# KiCad board RP2350_60QFN_minimal.kicad_pcb (continued)
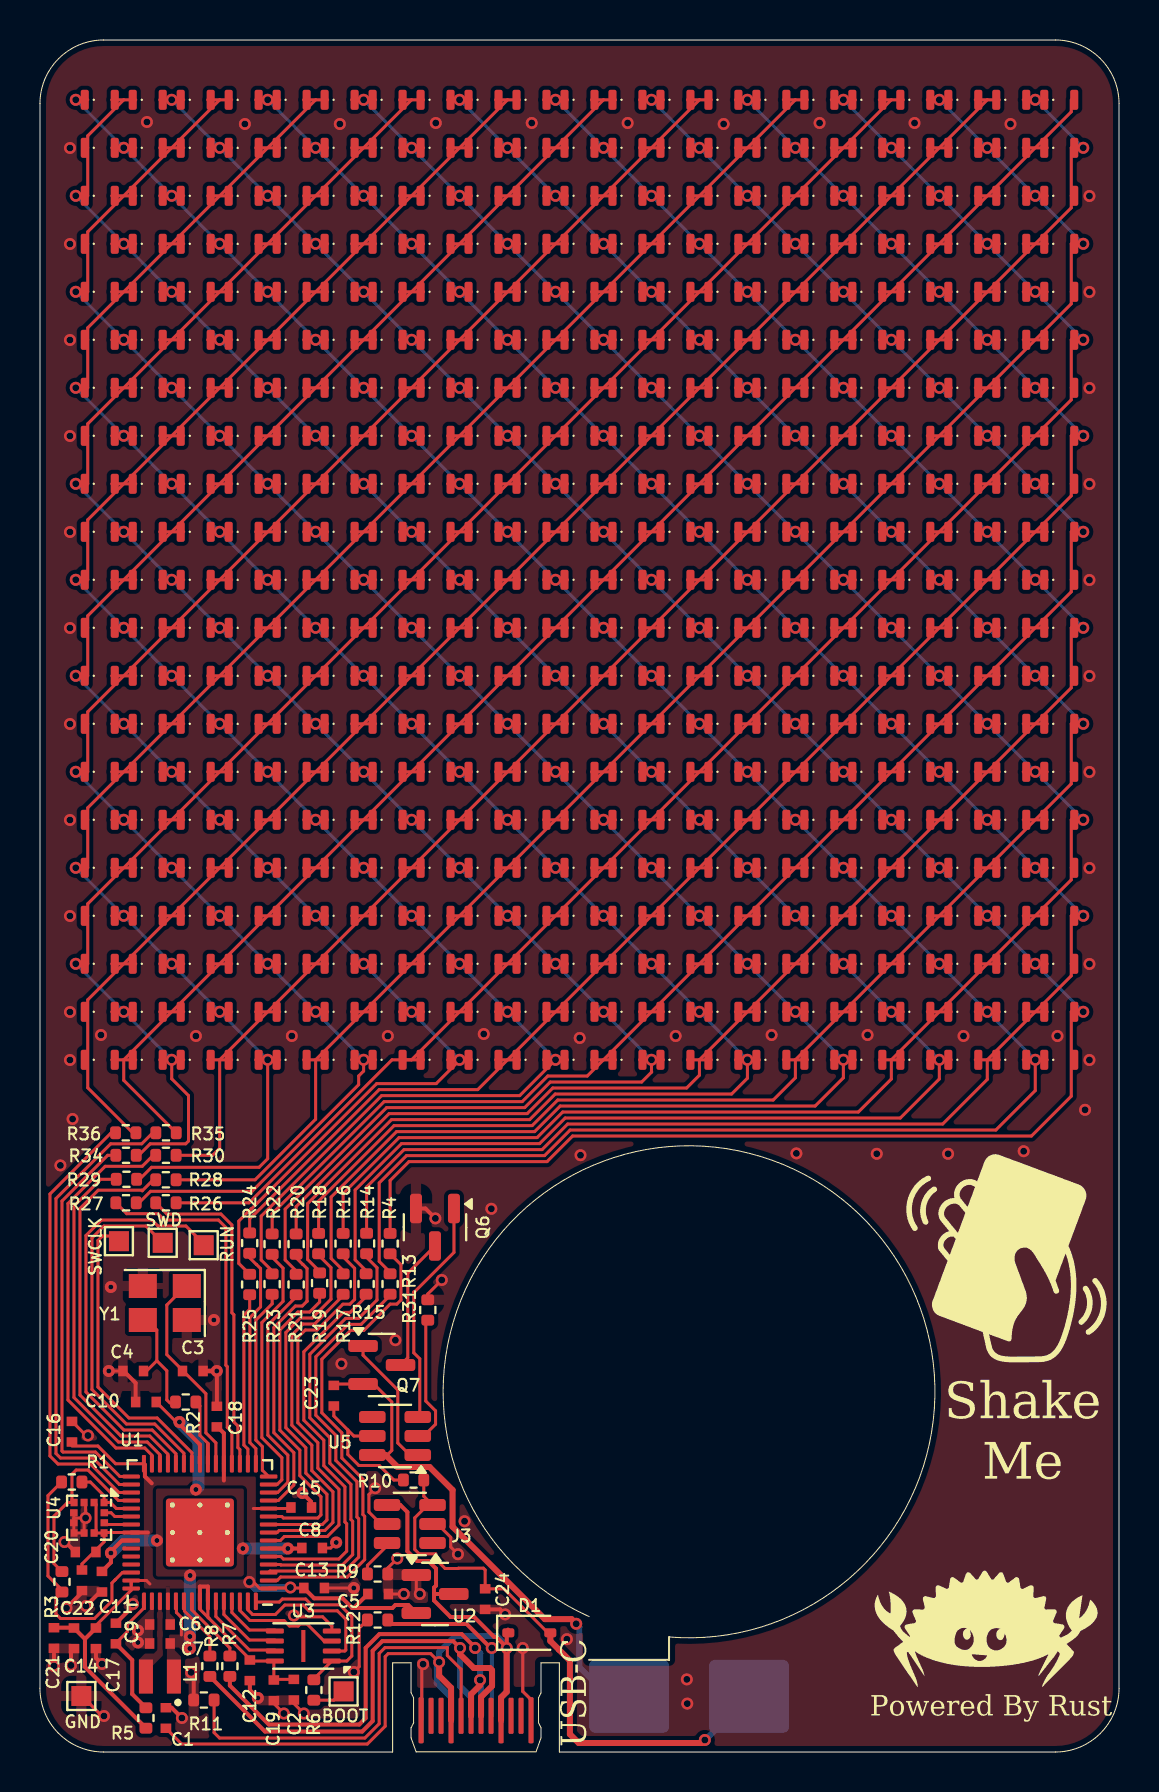
[diagram p0: board, top side]
## Placement (name value [footprint] x y rotation side) (continued)
D467  LED  [LED_0603_1608Metric]  43.79 56.21 0 top
D468  LED  [LED_0603_1608Metric]  43.79 58.61 0 top
D469  LED  [LED_0603_1608Metric]  43.79 61.01 0 top
D470  LED  [LED_0603_1608Metric]  43.79 63.41 0 top
D471  LED  [LED_0603_1608Metric]  43.79 65.81 0 top
D472  LED  [LED_0603_1608Metric]  43.79 68.21 0 top
D473  LED  [LED_0603_1608Metric]  43.79 70.61 0 top
D474  LED  [LED_0603_1608Metric]  43.79 73.01 0 top
D475  LED  [LED_0603_1608Metric]  43.79 75.41 0 top
D476  LED  [LED_0603_1608Metric]  43.79 77.81 0 top
D477  LED  [LED_0603_1608Metric]  43.79 80.21 0 top
D478  LED  [LED_0603_1608Metric]  43.79 82.61 0 top
D479  LED  [LED_0603_1608Metric]  46.19 34.61 0 top
D480  LED  [LED_0603_1608Metric]  46.19 37.01 0 top
D481  LED  [LED_0603_1608Metric]  46.19 39.41 0 top
D482  LED  [LED_0603_1608Metric]  46.19 41.81 0 top
D483  LED  [LED_0603_1608Metric]  46.19 44.21 0 top
D484  LED  [LED_0603_1608Metric]  46.19 46.61 0 top
D485  LED  [LED_0603_1608Metric]  46.19 49.01 0 top
D486  LED  [LED_0603_1608Metric]  46.19 51.41 0 top
D487  LED  [LED_0603_1608Metric]  46.19 53.81 0 top
D488  LED  [LED_0603_1608Metric]  46.19 56.21 0 top
D489  LED  [LED_0603_1608Metric]  46.19 58.61 0 top
D490  LED  [LED_0603_1608Metric]  46.19 61.01 0 top
D491  LED  [LED_0603_1608Metric]  46.19 63.41 0 top
D492  LED  [LED_0603_1608Metric]  46.19 65.81 0 top
D493  LED  [LED_0603_1608Metric]  46.19 68.21 0 top
D494  LED  [LED_0603_1608Metric]  46.19 70.61 0 top
D495  LED  [LED_0603_1608Metric]  46.19 73.01 0 top
D496  LED  [LED_0603_1608Metric]  46.19 75.41 0 top
D497  LED  [LED_0603_1608Metric]  46.19 77.81 0 top
D498  LED  [LED_0603_1608Metric]  46.19 80.21 0 top
D499  LED  [LED_0603_1608Metric]  46.19 82.61 0 top
D500  LED  [LED_0603_1608Metric]  48.59 34.61 0 top
D501  LED  [LED_0603_1608Metric]  48.59 37.01 0 top
D502  LED  [LED_0603_1608Metric]  48.59 39.41 0 top
D503  LED  [LED_0603_1608Metric]  48.59 41.81 0 top
D504  LED  [LED_0603_1608Metric]  48.59 44.21 0 top
D505  LED  [LED_0603_1608Metric]  48.59 46.61 0 top
D506  LED  [LED_0603_1608Metric]  48.59 49.01 0 top
D507  LED  [LED_0603_1608Metric]  48.59 51.41 0 top
D508  LED  [LED_0603_1608Metric]  48.59 53.81 0 top
D509  LED  [LED_0603_1608Metric]  48.59 56.21 0 top
D510  LED  [LED_0603_1608Metric]  48.59 58.61 0 top
D511  LED  [LED_0603_1608Metric]  48.59 61.01 0 top
D512  LED  [LED_0603_1608Metric]  48.59 63.41 0 top
D513  LED  [LED_0603_1608Metric]  48.59 65.81 0 top
D514  LED  [LED_0603_1608Metric]  48.59 68.21 0 top
D515  LED  [LED_0603_1608Metric]  48.59 70.61 0 top
D516  LED  [LED_0603_1608Metric]  48.59 73.01 0 top
D517  LED  [LED_0603_1608Metric]  48.59 75.41 0 top
D518  LED  [LED_0603_1608Metric]  48.59 77.81 0 top
D519  LED  [LED_0603_1608Metric]  48.59 80.21 0 top
D520  LED  [LED_0603_1608Metric]  48.59 82.61 0 top
D521  LED  [LED_0603_1608Metric]  50.99 34.61 0 top
D522  LED  [LED_0603_1608Metric]  50.99 37.01 0 top
D523  LED  [LED_0603_1608Metric]  50.99 39.41 0 top
D524  LED  [LED_0603_1608Metric]  50.99 41.81 0 top
D525  LED  [LED_0603_1608Metric]  50.99 44.21 0 top
D526  LED  [LED_0603_1608Metric]  50.99 46.61 0 top
D527  LED  [LED_0603_1608Metric]  50.99 49.01 0 top
D528  LED  [LED_0603_1608Metric]  50.99 51.41 0 top
D529  LED  [LED_0603_1608Metric]  50.99 53.81 0 top
D530  LED  [LED_0603_1608Metric]  50.99 56.21 0 top
D531  LED  [LED_0603_1608Metric]  50.99 58.61 0 top
D532  LED  [LED_0603_1608Metric]  50.99 61.01 0 top
D533  LED  [LED_0603_1608Metric]  50.99 63.41 0 top
D534  LED  [LED_0603_1608Metric]  50.99 65.81 0 top
D535  LED  [LED_0603_1608Metric]  50.99 68.21 0 top
D536  LED  [LED_0603_1608Metric]  50.99 70.61 0 top
D537  LED  [LED_0603_1608Metric]  50.99 73.01 0 top
D538  LED  [LED_0603_1608Metric]  50.99 75.41 0 top
D539  LED  [LED_0603_1608Metric]  50.99 77.81 0 top
D540  LED  [LED_0603_1608Metric]  50.99 80.21 0 top
D541  LED  [LED_0603_1608Metric]  50.99 82.61 0 top
GND  TestPoint  [TestPoint_Pad_1.0x1.0mm]  2.07 2.8 0 top
J1  USB_C_Receptacle_USB2.0_14P  [USB_C_PADDLE]  21.82 2.46 180 top
J3  TP4057  [SOT-23-6]  18.5 11.4 180 top
L1  3.3u  [L_pol_2016]  6 3.77 180 top
Q6  HL-2302V  [SOT-23]  19.76 26.24 270 top
Q7  HL-2302V  [SOT-23]  17.1 19.35 0 top
R1  5K1  [R_0402_1005Metric]  1.59 13.5 180 top
R2  1K  [R_0402_1005Metric]  7.29 17.5 180 top
R3  5K1  [R_0402_1005Metric]  1.1 8.51 270 top
R4  22  [R_0402_1005Metric]  17.52 25.42 270 top
R5  33  [R_0402_1005Metric]  5.3 1.7 90 top
R6  1K  [R_0402_1005Metric]  13.7 3.1 270 top
R7  27  [R_0402_1005Metric]  9.5 4.29 90 top
R8  27  [R_0402_1005Metric]  8.5 4.29 90 top
R9  20K  [R_0402_1005Metric]  16.89 8.9 0 top
R10  100  [R_0402_1005Metric]  18.69 13.6 180 top
R11  5K1  [R_0402_1005Metric]  8.2 2.6 180 top
R12  5K1  [R_0402_1005Metric]  16.89 6.6 180 top
R13  22  [R_0402_1005Metric]  17.52 23.4 270 top
R14  22  [R_0402_1005Metric]  16.34 25.42 270 top
R15  22  [R_0402_1005Metric]  16.32 23.4 270 top
R16  22  [R_0402_1005Metric]  15.16 25.42 270 top
R17  22  [R_0402_1005Metric]  15.16 23.39 270 top
R18  22  [R_0402_1005Metric]  13.94 25.42 270 top
R19  22  [R_0402_1005Metric]  13.99 23.44 270 top
R20  22  [R_0402_1005Metric]  12.81 25.39 270 top
R21  22  [R_0402_1005Metric]  12.81 23.37 270 top
R22  22  [R_0402_1005Metric]  11.62 25.39 270 top
R23  22  [R_0402_1005Metric]  11.62 23.39 270 top
R24  22  [R_0402_1005Metric]  10.49 25.44 270 top
R25  22  [R_0402_1005Metric]  10.49 23.37 270 top
R26  22  [R_0402_1005Metric]  6.3 27.46 180 top
R27  22  [R_0402_1005Metric]  4.3 27.46 180 top
R28  22  [R_0402_1005Metric]  6.3 28.61 180 top
R29  22  [R_0402_1005Metric]  4.33 28.63 180 top
R30  22  [R_0402_1005Metric]  6.3 29.83 180 top
R31  1K  [R_0402_1005Metric]  19.4 22.1 270 top
R34  22  [R_0402_1005Metric]  4.3 29.83 180 top
R35  22  [R_0402_1005Metric]  6.3 30.96 180 top
R36  22  [R_0402_1005Metric]  4.29 30.96 180 top
RUN  TestPoint  [TestPoint_Pad_1.0x1.0mm]  8.19 25.34 0 top
SWCLK  TestPoint  [TestPoint_Pad_1.0x1.0mm]  3.95 25.54 0 top
SWD  TestPoint  [TestPoint_Pad_1.0x1.0mm]  6.14 25.46 0 top
U1  RP2350A  [RP2350-QFN-60-1EP_7x7_P0.4mm_EP3.4x3.4mm_ThermalVias]  8 10.97 180 top
U2  REG_3.3V  [SOT-23]  19.76 7.9 0 top
U3  ZD25WQ32CEIGR  [Winbond_USON-8-1EP_3x2mm_P0.5mm_EP0.2x1.6mm]  13.18 5.3 180 top
U4  LIS2DH12TR  [LGA-12_2x2mm_P0.5mm]  2.46 11.71 270 top
U5  DW01A  [SOT-23-6]  17.76 15.8 180 top
Y1  ABM8-272-T3  [Crystal_SMD_3225-4Pin_3.2x2.5mm]  6.25 22.45 180 top

## Library data of the parts
BOOT GND RUN SWCLK SWD = -: Description: test point; ki_fp_filters: Pin* Test*
BT1 = -: Datasheet: https://www.cde.com/resources/catalogs/RJD.pdf; Description: Single-cell battery; Vendor: DigiKey; Price: 11.20; 1000 Price: 8.85; Manufacturer: Cornell Dubilier Knowles; Notes: 110 MAH; Part Number: RJD2430C1ST1; Website: https://www.digikey.com/short/mdb30bvm; Vendor PN: 1572-1630-ND
C1 C5 C24 = -: Datasheet: https://jlcpcb.com/api/file/downloadByFileSystemAccessId/8590204865961369600; 1000 Price: .0010; Manufacturer: CCTC; Notes: 6.3V 20%; Package: 0402; Part Number: TCC0402X5R105M6R3AT; Price: .0014; Vendor: JLCPCB; Website: https://jlcpcb.com/partdetail/Cctc-TCC0402X5R105M6R3AT/C2887021; Vendor PN: C2887021; ki_fp_filters: C_*
C2 C8 C11-C18 C20 C21 C23 = -: Datasheet: https://jlcpcb.com/api/file/downloadByFileSystemAccessId/8590272703061401600; Package: 0402; 1000 Price: .004; Manufacturer: FOJAN; Notes: 16V 10%; Part Number: FCC0402B104K160AT; Price: .0008; Vendor: JLCPCB; Website: https://jlcpcb.com/partdetail/Fojan-FCC0402B104K160AT/C5137468; Vendor PN: C5137468; ki_fp_filters: C_*
C3 C4 = -: Datasheet: https://jlcpcb.com/api/file/downloadByFileSystemAccessId/8588947741178777600; Package: 0402; 1000 Price: .0023; Manufacturer: YAGEO; Notes: 50V 1%; Part Number: CC0402FRNPO9BN150; Price: .0030; Vendor: JLCPCB; Website: https://jlcpcb.com/partdetail/Yageo-CC0402FRNPO9BN150/C326803; Vendor PN: C326803; ki_fp_filters: C_*
C6 C7 C9 C10 = -: Datasheet: https://jlcpcb.com/api/file/downloadByFileSystemAccessId/8588934242764541952; Package: 0402; 1000 Price: .0024; Manufacturer: CCTC; Notes: 6.3V 20%; Part Number: TCC0402X5R475M6R3AT; Price: .0031; Vendor: JLCPCB; Website: https://jlcpcb.com/partdetail/Cctc-TCC0402X5R475M6R3AT/C380302; Vendor PN: C380302; ki_fp_filters: C_*
C19 C22 = -: Datasheet: https://jlcpcb.com/api/file/downloadByFileSystemAccessId/8588932963417395200; Notes: 6.3V 20%; Package: 0402; Part Number: GRM155R60J106ME44D; Price: .0060; Vendor: JLCPCB; Website: https://jlcpcb.com/partdetail/MurataElectronics-GRM155R60J106ME44D/C76991; 1000 Price: .0050; Vendor PN: C76991; ki_fp_filters: C_*
D1 = -: Datasheet: https://jlcpcb.com/api/file/downloadByFileSystemAccessId/8588880599926362112; Description: Diode; JLC Number: C146335; Part Number: CUS10S30,H3F; Vendor: JLCPCB; Website: https://jlcpcb.com/partdetail/TOSHIBA-CUS10S30H3F/C146335; Price: .06; Notes: 30V 1A, low Vf; Package: SOD-323; Vendor PN: C146335; ki_fp_filters: TO-???* *_Diode_* *SingleDiode* D_*
D101-D541 = -: Datasheet: https://jlcpcb.com/api/file/downloadByFileSystemAccessId/8588936943606370304; Description: Light emitting diode; Website: https://jlcpcb.com/partdetail/C497923; Vendor: JLCPCB; Price: .0134; Package: 0603; Part Number: F.0603.00139/P2-0603R1TS2-06T-002; 1000 Price: .0103; Vendor PN: C497923; ki_fp_filters: LED* LED_SMD:* LED_THT:*
J1 = -: Datasheet: https://www.usb.org/sites/default/files/documents/usb_type-c.zip; Description: USB 2.0-only 14P Type-C Receptacle connector; Price: 0; ki_fp_filters: USB*C*Receptacle*
J3 = -: Datasheet: https://jlcpcb.com/api/file/downloadByFileSystemAccessId/8588886868624879616; MANUFACTURER: Tag-Connect; Website: https://jlcpcb.com/partdetail/772194-TP4057/C725791; Price: .044; Vendor: JLCPCB; Manufacturer: UMW; Notes: 0.3V-6.5V 600mA; Package: SOT-23-6L; LCSC Part Number: C497923; 1000 Price: .029; Vendor PN: C725791
L1 = -: Datasheet: https://jlcpcb.com/api/file/downloadByFileSystemAccessId/8567843503118221312; Manufacturer: Abracon LLC; Notes: Polarized; Package: 0806; Part Number: AOTA-B201610S3R3-101-T; Price: .2889; Vendor: JLCPCB; Website: https://jlcpcb.com/partdetail/AbraconLlc-AOTA_B201610S3R3_101T/C42411119; 1000 Price: .1776; Vendor PN: C42411119; ki_fp_filters: Choke_* *Coil* Inductor_* L_*
Q6 Q7 = -: Datasheet: https://jlcpcb.com/api/file/downloadByFileSystemAccessId/8590907421391077376; Description: 0.2A Id, 200V Vds, N-Channel MOSFET, 2.6V Logic Level, TO-92; Website: https://jlcpcb.com/partdetail/Hl-2302V/C7431443; Price: .0091; Vendor: JLCPCB; Notes: N-Channel 3A Mosfet; Part Number: 2302V; Manufacturer: HL; Package: SOT-23; LCSC Part Number: C7431443; 1000 Price: .0072; Vendor PN: C7431443; ki_fp_filters: TO?92*
R1 R3 R11 R12 = -: Datasheet: https://jlcpcb.com/api/file/downloadByFileSystemAccessId/8590201146070495232; Manufacturer: UNI-ROYAL; Notes: 62.5mW 50V 1%; Package: 0402; Part Number: 0402WGF510KTCE; Price: .0004; Vendor: JLCPCB; Website: https://jlcpcb.com/partdetail/FOJAN-FRC0402J512TS/C2906948; 1000 Price: .0003; Vendor PN: C2906948; ki_fp_filters: R_*
R2 R6 = -: Datasheet: https://jlcpcb.com/api/file/downloadByFileSystemAccessId/8589041795842125824; Manufacturer: FOJAN; Notes: 62.5mW 50V 1%; Package: 0402; Part Number: FRC0402F1001TS; Price: .0005; Vendor: JLCPCB; Website: https://jlcpcb.com/partdetail/Fojan-FRC0402F1001TS/C2906864; 1000 Price: .0003; Vendor PN: C2906864; ki_fp_filters: R_*
R4 R13-R30 R34-R36 = -: Datasheet: https://jlcpcb.com/api/file/downloadByFileSystemAccessId/8579705910383595520; Description: 50 Ohm Resistor; Website: https://jlcpcb.com/partdetail/25835-0402WGF220JTCE/C25092; Vendor: JLCPCB; Price: .0005; Package: 0402; Notes: 62.5mW 50V 1%; Part Number: 0402WGF220JTCE; Manufacturer: UNI-ROYAL; 1000 Price: .0004; Vendor PN: C25092; ki_fp_filters: R_*
R5 = -: Datasheet: https://jlcpcb.com/api/file/downloadByFileSystemAccessId/8588899754156048385; Alternate 1: RTT0233R0FTH; Manufacturer: YAGEO; Notes: 62.5mW 50V 1%; Package: 0402; Part Number: RC0402FR-0733RL; Price: .0006; Vendor: JLCPCB; Website: https://jlcpcb.com/partdetail/Yageo-RC0402FR0733RL/C138002; 1000 Price: .0005; Vendor PN: C138002; ki_fp_filters: R_*
R7 R8 = -: Datasheet: https://jlcpcb.com/api/file/downloadByFileSystemAccessId/8590208067418816512; Manufacturer: UNI-ROYAL; Notes: 62.5mW 50V 5%; Package: 0402; Part Number: 0402WGJ0100TCE; Price: .0005; Vendor: JLCPCB; Website: https://jlcpcb.com/partdetail/Fojan-FRC0402F27R0TS/C2909343; 1000 Price: .0003; Vendor PN: C2909343; ki_fp_filters: R_*
R9 = -: Datasheet: https://jlcpcb.com/api/file/downloadByFileSystemAccessId/8579705988980932608; Manufacturer: UNI-ROYAL; Notes: 62.5mW 50V 1%; Package: 0402; Part Number: 0402WGF2002TCE; Price: .0005; Vendor: JLCPCB; Website: https://jlcpcb.com/partdetail/26508-0402WGF2002TCE/C25765; 1000 Price: .0004; Vendor PN: C25765; ki_fp_filters: R_*
R10 = -: Datasheet: https://jlcpcb.com/api/file/downloadByFileSystemAccessId/8590201135915950080; Description: Resistor; Manufacturer: FOJAN; Notes: 100mW 5%; Part Number: FRC0402F1000TS; Price: .0005; Vendor: JLCPCB; Website: https://jlcpcb.com/partdetail/Fojan-FRC0402F1000TS/C2906860; 1000 Price: .0004; Vendor PN: C2906860; ki_fp_filters: R_*
R31 = -: Datasheet: https://jlcpcb.com/api/file/downloadByFileSystemAccessId/8589041795842125824; Part Number: FRC0402F1001TS; Website: https://jlcpcb.com/partdetail/Fojan-FRC0402F1001TS/C2906864; Vendor: JLCPCB; Price: .0005; Package: 0402; Notes: 62.5mW 50V 1%; Manufacturer: FOJAN; 1000 Price: .0003; Vendor PN: C2906864; ki_fp_filters: R_*
U1 = -: Datasheet: https://jlcpcb.com/api/file/downloadByFileSystemAccessId/8562345067823054848; Description: RP2350A Microcontroller; Website: https://jlcpcb.com/partdetail/RaspberryPi-RP2350A/C42411118; Vendor: JLCPCB; Price: 1.683; Notes: 1V8-3V3 150MHz; Package: QFN-60-EP(7x7); 1000 Price: .9915; Vendor PN: C42411118; Manufacturer: Raspberry Pi
U2 = -: Datasheet: https://jlcpcb.com/api/file/downloadByFileSystemAccessId/8590454499069222913; Description: 3V3 Linear Regulator; Website: https://jlcpcb.com/partdetail/Msksemi-XC6206P332MRMS/C5252899; Price: .0123; Vendor: JLCPCB; Part Number: XC6206P332MR-MS; Notes: 3.3V 250mA; Package: SOT-23; 1000 Price: .0092; Vendor PN: C5252899; Manufacturer: MSKSEMI; ki_fp_filters: SOT?223*TabPin2*
U3 = -: Datasheet: https://jlcpcb.com/api/file/downloadByFileSystemAccessId/8589838983019995136; Description: 4MB Flash; Vendor: JLCPCB; Price: .2621; Package: USON-8(2x3); Website: https://jlcpcb.com/partdetail/Zetta-ZD25WQ32CEIGR/C5258281; Notes: 1.65V-3.6V 104MHz; 1000 Price: .1466; Vendor PN: C5258281; Manufacturer: Zetta; ki_fp_filters: SOIC*5.23x5.23mm*P1.27mm*
U4 = -: Datasheet: https://jlcpcb.com/api/file/downloadByFileSystemAccessId/8588886762982944768; Description: Accelerometer; Manufacturer: STMicroelectronics; Package: LGA-12(2x); Price: .573; Vendor: JLCPCB; Website: https://jlcpcb.com/partdetail/Stmicroelectronics-LIS2DH12TR/C110926; 1000 Price: .3450; Vendor PN: C110926
U5 = -: Datasheet: https://jlcpcb.com/api/file/downloadByFileSystemAccessId/8604436371230633984; Description: Overcharge, overcurrent and overdischarge protection IC for single cell lithium-ion/polymer battery; Manufacturer: Slkor; Package: SOT-23-6; Price: .0158; Vendor: JLCPCB; Website: https://jlcpcb.com/partdetail/slkor_slkormicro_elec-DW01A/C42380662; Notes: SMD; LCSC Part Number: C42380662; 1000 Price: .0123; Vendor PN: C42380662; ki_fp_filters: SOT?23*
Y1 = -: Datasheet: https://jlcpcb.com/api/file/downloadByFileSystemAccessId/8559470777180311552; Description: 12MHz Crystal; Website: https://jlcpcb.com/partdetail/AbraconLlc-ABM8_272T3/C20625731; Vendor: JLCPCB; Notes: 50 OHM, 10pF, 30ppm; Package: 4-SMD (3.2x2.5); Price: .3705; Manufacturer: Abracon; 1000 Price: .186; Vendor PN: C20625731; ki_fp_filters: Crystal*

## Footprints (pads in the part's own frame, mm; a bottom-side part is the same pattern mirrored in y, then rotated)
BatteryHolder_Custom
  rrect 3.65x4 smd far side: 1(15.225,3) 2(15.225,-3)
C_0402_1005Metric_small_pads
  rect 0.47x0.53 smd: 1(-0.515,0) 2(0.515,0)
Crystal_SMD_3225-4Pin_3.2x2.5mm
  rect 1.4x1.2 smd: 1(-1.1,-0.85) 2(1.1,-0.85) 3(1.1,0.85) 4(-1.1,0.85)
D_SOD-323
  rrect 0.6x0.45 smd: 1(-1.05,0) 2(1.05,0)
L_pol_2016
  rect 0.7x1.7 smd: 1(-0.7,0) 2(0.7,0)
LED_0603_1608Metric
  rrect 0.4x1 smd: 1(-0.75,0) 2(0.75,0)
LGA-12_2x2mm_P0.5mm
  rect 0.375x0.35 smd: 1(-0.762,0.75) 2(-0.762,0.25) 3(-0.762,-0.25) 4(-0.762,-0.75) 7(0.762,-0.75) 8(0.762,-0.25) 9(0.762,0.25) 10(0.762,0.75)
  rect 0.35x0.375 smd: 5(-0.25,-0.762) 6(0.25,-0.762) 11(0.25,0.762) 12(-0.25,0.762)
R_0402_1005Metric
  rrect 0.54x0.64 smd: 1(-0.51,0) 2(0.51,0)
RP2350-QFN-60-1EP_7x7_P0.4mm_EP3.4x3.4mm_ThermalVias
  rrect 1.2x1.2 smd: (-0.7,0.7) (-0.7,-0.7) (0.7,0.7) (0.7,-0.7)
  rrect 0.875x0.2 smd: 1(-3.438,2.8) 2(-3.438,2.4) 3(-3.438,2) 4(-3.438,1.6) 5(-3.438,1.2) 6(-3.438,0.8) 7(-3.438,0.4) 8(-3.438,0) 9(-3.438,-0.4) 10(-3.438,-0.8) 11(-3.438,-1.2) 12(-3.438,-1.6) 13(-3.438,-2) 14(-3.438,-2.4) 15(-3.438,-2.8) 31(3.438,-2.8) 32(3.438,-2.4) 33(3.438,-2) 34(3.438,-1.6) 35(3.438,-1.2) 36(3.438,-0.8) 37(3.438,-0.4) 38(3.438,0) 39(3.438,0.4) 40(3.438,0.8) 41(3.438,1.2) 42(3.438,1.6) 43(3.438,2) 44(3.438,2.4) 45(3.438,2.8)
  rrect 0.2x0.875 smd: 16(-2.8,-3.438) 17(-2.4,-3.438) 18(-2,-3.438) 19(-1.6,-3.438) 20(-1.2,-3.438) 21(-0.8,-3.438) 22(-0.4,-3.438) 23(0,-3.438) 24(0.4,-3.438) 25(0.8,-3.438) 26(1.2,-3.438) 27(1.6,-3.438) 28(2,-3.438) 29(2.4,-3.438) 30(2.8,-3.438) 46(2.8,3.438) 47(2.4,3.438) 48(2,3.438) 49(1.6,3.438) 50(1.2,3.438) 51(0.8,3.438) 52(0.4,3.438) 53(0,3.438) 54(-0.4,3.438) 55(-0.8,3.438) 56(-1.2,3.438) 57(-1.6,3.438) 58(-2,3.438) 59(-2.4,3.438) 60(-2.8,3.438)
  round 0.6 hole 0.25: 61(-1.375,1.375) 61(-1.375,0) 61(-1.375,-1.375) 61(0,1.375) 61(0,0) 61(0,-1.375) 61(1.375,1.375) 61(1.375,0) 61(1.375,-1.375)
  rrect 3.4x3.4 smd: 61(0,0)
SOT-23
  rrect 1.475x0.6 smd: 1(-0.938,0.95) 2(-0.938,-0.95) 3(0.938,0)
SOT-23-6
  rrect 1.325x0.6 smd: 1(-1.137,0.95) 2(-1.137,0) 3(-1.137,-0.95) 4(1.137,-0.95) 5(1.137,0) 6(1.137,0.95)
TestPoint_Pad_1.0x1.0mm
  rect 1x1 smd: 1(0,0)
USB_C_PADDLE
  rrect 0.25x2.3 smd: A1(2.75,0.875) A4(1.25,0.875) A9(-1.25,0.875) A12(-2.75,0.875)
  rrect 0.25x1.8 smd: A2(2.25,0.65) A3(1.75,0.65) A5(0.75,0.65) A6(0.25,0.65) A7(-0.25,0.65) A8(-0.75,0.65) A10(-1.75,0.65) A11(-2.25,0.65)
  rrect 0.25x2.3 smd far side: B1(-2.75,0.87) B4(-1.25,0.87) B9(1.25,0.87) B12(2.75,0.87)
  rrect 0.25x1.8 smd far side: B2(-2.25,0.645) B3(-1.75,0.645) B5(-0.75,0.645) B6(-0.25,0.645) B7(0.25,0.645) B8(0.75,0.645) B10(1.75,0.645) B11(2.25,0.645)
Winbond_USON-8-1EP_3x2mm_P0.5mm_EP0.2x1.6mm
  rrect 0.16x1.29 smd: (0,0)
  rrect 0.9x0.25 smd: 1(-1.425,0.75) 2(-1.425,0.25) 3(-1.425,-0.25) 4(-1.425,-0.75) 5(1.425,-0.75) 6(1.425,-0.25) 7(1.425,0.25) 8(1.425,0.75)
  rect 0.2x1.6 smd: 9(0,0)

## Nets
+1V1: C7.1 C8.1 C10.1 C11.1 L1.1 U1.6 U1.23 U1.39 U1.50
+3V3: C2.1 C5.1 C6.1 C12.1 C13.1 C14.1 C15.1 C16.1 C17.1 C18.1 C19.1 C20.2 C21.2 C22.1 R5.1 U1.1 U1.11 U1.20 U1.30 U1.38 U1.44 U1.45 U1.49 U1.53 U1.54 U2.2 U3.8 U4.2 U4.9 U4.10
GND: C1.2 C2.2 C3.2 C4.2 C5.2 C6.2 C7.2 C8.2 C9.2 C10.2 C11.2 C12.2 C13.2 C14.2 C15.2 C16.2 C17.2 C18.2 C19.2 C20.1 C21.1 C22.2 C24.2 GND.1 J1.A1 J1.A12 J1.B1 J1.B12 J3.2 J3.5 Q6.2 R9.2 R11.2 R12.2 R31.1 U1.47 U1.61 U2.1 U3.4 U4.3 U4.5 U4.6 U4.7 U4.8 Y1.2 Y1.4
VBUS: C1.1 D1.1 J1.A4 J1.A9 J1.B4 J1.B9 J3.4 U2.3
/FLASH_SS: R6.1 U1.60 U3.1
/LED_ARRAY/D1: D101.1 D102.1 D103.2 D124.1 D125.2 D146.1 D147.2 D168.1 D169.2 D190.1 D191.2 D212.1 D213.2 D234.1 D235.2 D256.1 D257.2 D278.1 D279.2 D300.1 D301.2 D322.1 D323.2 D344.1 D345.2 D366.1 D367.2 D388.1 D389.2 D410.1 D411.2 D432.1 D433.2 D454.1 D455.2 D476.1 D477.2 D498.1 D499.2 D520.1 R36.1
/LED_ARRAY/D2: D101.2 D122.1 D123.2 D144.1 D145.2 D166.1 D167.2 D188.1 D189.2 D210.1 D211.2 D232.1 D233.2 D254.1 D255.2 D276.1 D277.2 D298.1 D299.2 D320.1 D321.2 D342.1 D343.2 D364.1 D365.2 D386.1 D387.2 D408.1 D409.2 D430.1 D431.2 D452.1 D453.2 D474.1 D475.2 D496.1 D497.2 D518.1 D519.2 D540.1 D541.2 R35.1
/LED_ARRAY/D3: D102.2 D103.1 D104.1 D105.2 D122.2 D123.1 D126.1 D127.2 D143.1 D148.1 D149.2 D170.1 D171.2 D192.1 D193.2 D214.1 D215.2 D236.1 D237.2 D258.1 D259.2 D280.1 D281.2 D302.1 D303.2 D324.1 D325.2 D346.1 D347.2 D368.1 D369.2 D390.1 D391.2 D412.1 D413.2 D434.1 D435.2 D456.1 D457.2 D478.1 R34.1
/LED_ARRAY/D4: D143.2 D164.1 D165.2 D186.1 D187.2 D208.1 D209.2 D230.1 D231.2 D252.1 D253.2 D274.1 D275.2 D296.1 D297.2 D318.1 D319.2 D340.1 D341.2 D362.1 D363.2 D384.1 D385.2 D406.1 D407.2 D428.1 D429.2 D450.1 D451.2 D472.1 D473.2 D494.1 D495.2 D516.1 D517.2 D520.2 D538.1 D539.2 D540.2 D541.1 R30.1
/LED_ARRAY/D5: D104.2 D105.1 D106.1 D107.2 D124.2 D125.1 D128.1 D129.2 D144.2 D145.1 D150.1 D151.2 D164.2 D165.1 D172.1 D173.2 D185.1 D194.1 D195.2 D216.1 D217.2 D238.1 D239.2 D260.1 D261.2 D282.1 D283.2 D304.1 D305.2 D326.1 D327.2 D348.1 D349.2 D370.1 D371.2 D392.1 D393.2 D414.1 D415.2 D436.1 R29.1
/LED_ARRAY/D6: D185.2 D206.1 D207.2 D228.1 D229.2 D250.1 D251.2 D272.1 D273.2 D294.1 D295.2 D316.1 D317.2 D338.1 D339.2 D360.1 D361.2 D382.1 D383.2 D404.1 D405.2 D426.1 D427.2 D448.1 D449.2 D470.1 D471.2 D478.2 D492.1 D493.2 D498.2 D499.1 D514.1 D515.2 D518.2 D519.1 D536.1 D537.2 D538.2 D539.1 R28.1
/LED_ARRAY/D7: D106.2 D107.1 D108.1 D109.2 D126.2 D127.1 D130.1 D131.2 D146.2 D147.1 D152.1 D153.2 D166.2 D167.1 D174.1 D175.2 D186.2 D187.1 D196.1 D197.2 D206.2 D207.1 D218.1 D219.2 D227.1 D240.1 D241.2 D262.1 D263.2 D284.1 D285.2 D306.1 D307.2 D328.1 D329.2 D350.1 D351.2 D372.1 D373.2 D394.1 R27.1
/LED_ARRAY/D8: D227.2 D248.1 D249.2 D270.1 D271.2 D292.1 D293.2 D314.1 D315.2 D336.1 D337.2 D358.1 D359.2 D380.1 D381.2 D402.1 D403.2 D424.1 D425.2 D436.2 D446.1 D447.2 D456.2 D457.1 D468.1 D469.2 D476.2 D477.1 D490.1 D491.2 D496.2 D497.1 D512.1 D513.2 D516.2 D517.1 D534.1 D535.2 D536.2 D537.1 R26.1
/LED_ARRAY/D9: D108.2 D109.1 D110.1 D111.2 D128.2 D129.1 D132.1 D133.2 D148.2 D149.1 D154.1 D155.2 D168.2 D169.1 D176.1 D177.2 D188.2 D189.1 D198.1 D199.2 D208.2 D209.1 D220.1 D221.2 D228.2 D229.1 D242.1 D243.2 D248.2 D249.1 D264.1 D265.2 D269.1 D286.1 D287.2 D308.1 D309.2 D330.1 D331.2 D352.1 R25.1
/LED_ARRAY/D10: D269.2 D290.1 D291.2 D312.1 D313.2 D334.1 D335.2 D356.1 D357.2 D378.1 D379.2 D394.2 D400.1 D401.2 D414.2 D415.1 D422.1 D423.2 D434.2 D435.1 D444.1 D445.2 D454.2 D455.1 D466.1 D467.2 D474.2 D475.1 D488.1 D489.2 D494.2 D495.1 D510.1 D511.2 D514.2 D515.1 D532.1 D533.2 D534.2 D535.1 R24.1
/LED_ARRAY/D11: D110.2 D111.1 D112.1 D113.2 D130.2 D131.1 D134.1 D135.2 D150.2 D151.1 D156.1 D157.2 D170.2 D171.1 D178.1 D179.2 D190.2 D191.1 D200.1 D201.2 D210.2 D211.1 D222.1 D223.2 D230.2 D231.1 D244.1 D245.2 D250.2 D251.1 D266.1 D267.2 D270.2 D271.1 D288.1 D289.2 D290.2 D291.1 D310.1 D311.1 R23.1
/LED_ARRAY/D12: D311.2 D332.1 D333.2 D352.2 D354.1 D355.2 D372.2 D373.1 D376.1 D377.2 D392.2 D393.1 D398.1 D399.2 D412.2 D413.1 D420.1 D421.2 D432.2 D433.1 D442.1 D443.2 D452.2 D453.1 D464.1 D465.2 D472.2 D473.1 D486.1 D487.2 D492.2 D493.1 D508.1 D509.2 D512.2 D513.1 D530.1 D531.2 D532.2 D533.1 R22.1
/LED_ARRAY/D13: D112.2 D113.1 D114.1 D115.2 D132.2 D133.1 D136.1 D137.2 D152.2 D153.1 D158.1 D159.2 D172.2 D173.1 D180.1 D181.2 D192.2 D193.1 D202.1 D203.2 D212.2 D213.1 D224.1 D225.2 D232.2 D233.1 D246.1 D247.2 D252.2 D253.1 D268.1 D272.2 D273.1 D292.2 D293.1 D312.2 D313.1 D332.2 D333.1 D353.1 R21.1
/LED_ARRAY/D14: D310.2 D330.2 D331.1 D350.2 D351.1 D353.2 D370.2 D371.1 D374.1 D375.2 D390.2 D391.1 D396.1 D397.2 D410.2 D411.1 D418.1 D419.2 D430.2 D431.1 D440.1 D441.2 D450.2 D451.1 D462.1 D463.2 D470.2 D471.1 D484.1 D485.2 D490.2 D491.1 D506.1 D507.2 D510.2 D511.1 D528.1 D529.2 D530.2 D531.1 R20.1
/LED_ARRAY/D15: D114.2 D115.1 D116.1 D117.2 D134.2 D135.1 D138.1 D139.2 D154.2 D155.1 D160.1 D161.2 D174.2 D175.1 D182.1 D183.2 D194.2 D195.1 D204.1 D205.2 D214.2 D215.1 D226.1 D234.2 D235.1 D254.2 D255.1 D274.2 D275.1 D294.2 D295.1 D314.2 D315.1 D334.2 D335.1 D354.2 D355.1 D374.2 D375.1 D395.1 R19.1
/LED_ARRAY/D16: D268.2 D288.2 D289.1 D308.2 D309.1 D328.2 D329.1 D348.2 D349.1 D368.2 D369.1 D388.2 D389.1 D395.2 D408.2 D409.1 D416.1 D417.2 D428.2 D429.1 D438.1 D439.2 D448.2 D449.1 D460.1 D461.2 D468.2 D469.1 D482.1 D483.2 D488.2 D489.1 D504.1 D505.2 D508.2 D509.1 D526.1 D527.2 D528.2 D529.1 R18.1
/LED_ARRAY/D17: D116.2 D117.1 D118.1 D119.2 D136.2 D137.1 D140.1 D141.2 D156.2 D157.1 D162.1 D163.2 D176.2 D177.1 D184.1 D196.2 D197.1 D216.2 D217.1 D236.2 D237.1 D256.2 D257.1 D276.2 D277.1 D296.2 D297.1 D316.2 D317.1 D336.2 D337.1 D356.2 D357.1 D376.2 D377.1 D396.2 D397.1 D416.2 D417.1 D437.1 R17.1
/LED_ARRAY/D18: D226.2 D246.2 D247.1 D266.2 D267.1 D286.2 D287.1 D306.2 D307.1 D326.2 D327.1 D346.2 D347.1 D366.2 D367.1 D386.2 D387.1 D406.2 D407.1 D426.2 D427.1 D437.2 D446.2 D447.1 D458.1 D459.2 D466.2 D467.1 D480.1 D481.2 D486.2 D487.1 D502.1 D503.2 D506.2 D507.1 D524.1 D525.2 D526.2 D527.1 R16.1
/LED_ARRAY/D19: D118.2 D119.1 D120.1 D121.2 D138.2 D139.1 D142.1 D158.2 D159.1 D178.2 D179.1 D198.2 D199.1 D218.2 D219.1 D238.2 D239.1 D258.2 D259.1 D278.2 D279.1 D298.2 D299.1 D318.2 D319.1 D338.2 D339.1 D358.2 D359.1 D378.2 D379.1 D398.2 D399.1 D418.2 D419.1 D438.2 D439.1 D458.2 D459.1 D479.1 R15.1
/LED_ARRAY/D20: D184.2 D204.2 D205.1 D224.2 D225.1 D244.2 D245.1 D264.2 D265.1 D284.2 D285.1 D304.2 D305.1 D324.2 D325.1 D344.2 D345.1 D364.2 D365.1 D384.2 D385.1 D404.2 D405.1 D424.2 D425.1 D444.2 D445.1 D464.2 D465.1 D479.2 D484.2 D485.1 D500.1 D501.2 D504.2 D505.1 D522.1 D523.2 D524.2 D525.1 R14.1
/LED_ARRAY/D21: D120.2 D121.1 D140.2 D141.1 D160.2 D161.1 D180.2 D181.1 D200.2 D201.1 D220.2 D221.1 D240.2 D241.1 D260.2 D261.1 D280.2 D281.1 D300.2 D301.1 D320.2 D321.1 D340.2 D341.1 D360.2 D361.1 D380.2 D381.1 D400.2 D401.1 D420.2 D421.1 D440.2 D441.1 D460.2 D461.1 D480.2 D481.1 D500.2 D501.1 D521.1 R13.1
/LED_ARRAY/D22: D142.2 D162.2 D163.1 D182.2 D183.1 D202.2 D203.1 D222.2 D223.1 D242.2 D243.1 D262.2 D263.1 D282.2 D283.1 D302.2 D303.1 D322.2 D323.1 D342.2 D343.1 D362.2 D363.1 D382.2 D383.1 D402.2 D403.1 D422.2 D423.1 D442.2 D443.1 D462.2 D463.1 D482.2 D483.1 D502.2 D503.1 D521.2 D522.2 D523.1 R4.1
/QSPI_SCLK: U1.56 U3.6
/QSPI_SD0: U1.57 U3.5
/QSPI_SD1: U1.59 U3.2
/QSPI_SD2: U1.58 U3.3
/QSPI_SD3: U1.55 U3.7
/USB_D+: J1.A6 J1.B6 R7.1
/USB_D-: J1.A7 J1.B7 R8.1
/VREG_AVDD: C9.1 R5.2 U1.46
/VREG_LX: L1.2 U1.48
/XIN: C3.1 U1.21 Y1.1
/XOUT: R2.1 U1.22
ACCEL INTERRPUT 1: U1.36 U4.12
ACCEL INTERRUPT 2: U1.37 U4.11
ENABLE_ACCEL: R1.2 R3.2 U1.43
I2C1_SCL: R1.1 U1.35 U4.1
I2C1_SDA: R3.1 U1.34 U4.4
Net-(BOOT1-Pad1): BOOT.1 R6.2
Net-(BT1-+): BT1.1 C24.1 D1.2 J3.3 R10.1
Net-(BT1--): BT1.2 C23.2 Q7.2 U5.6
Net-(C4-Pad1): C4.1 R2.2 Y1.3
Net-(J1-CC1): J1.A5 R11.1
Net-(J1-CC2): J1.B5 R12.1
Net-(J3-PROG): J3.6 R9.1
Net-(Q6-D): Q6.3 Q7.3
Net-(Q6-G): Q6.1 U5.3
Net-(Q7-G): Q7.1 U5.1
Net-(U1-GPIO0): R4.2 U1.2
Net-(U1-GPIO1): R13.2 U1.3
Net-(U1-GPIO2): R14.2 U1.4
Net-(U1-GPIO3): R15.2 U1.5
Net-(U1-GPIO4): R16.2 U1.7
Net-(U1-GPIO5): R17.2 U1.8
Net-(U1-GPIO6): R18.2 U1.9
Net-(U1-GPIO7): R19.2 U1.10
Net-(U1-GPIO8): R20.2 U1.12
Net-(U1-GPIO9): R21.2 U1.13
Net-(U1-GPIO10): R22.2 U1.14
Net-(U1-GPIO11): R23.2 U1.15
Net-(U1-GPIO12): R24.2 U1.16
Net-(U1-GPIO13): R25.2 U1.17
Net-(U1-GPIO14): R26.2 U1.18
Net-(U1-GPIO15): R27.2 U1.19
Net-(U1-GPIO16): R28.2 U1.27
Net-(U1-GPIO17): R29.2 U1.28
Net-(U1-GPIO18): R30.2 U1.29
Net-(U1-GPIO19): R34.2 U1.31
Net-(U1-GPIO20): R35.2 U1.32
Net-(U1-GPIO21): R36.2 U1.33
Net-(U1-RUN): RUN.1 U1.26
Net-(U1-SWCLK): SWCLK.1 U1.24
Net-(U1-SWD): SWD.1 U1.25
Net-(U1-USB_DM): R8.2 U1.51
Net-(U1-USB_DP): R7.2 U1.52
Net-(U5-CS): R31.2 U5.2
Net-(U5-VCC): C23.1 R10.2 U5.5

Pads without a net: J1 A2 A3 A8 A10 A11 B2 B3 B8 B10 B11; J3 1; U1 40 41 42; U3 9; U5 4

## Via types
v1: diameter 0.6, hole 0.25, Top to Bottom, 19 vias
v2: diameter 0.6, hole 0.35, Top to Bottom, 323 vias

## Routing (per net, layer and track width the routed paths; a pad name or vN(x,y) marks a point on that pad's centre or on a via; arc(x,y) is an arc through that point)
+1V1: length 22.5
  Top w0.15: 7.08,5.85 7.08,6.72 6.83,6.97 6.83,7.51 U1.50 ; 5.82,17.5 6.82,16.5 v1(6.98,16.5)
  Top w0.2: v1(6.98,16.5) 6.98,16.4 8,15.37 U1.23 ; C8.1 13.07,10.17 v1(12.4,10.17) U1.6 ; U1.39 4.1,10.57 3.55,10.03 v1(3.55,9.95) ; C11.1 3.55,9.48 v1(3.55,9.95) ; v1(3.55,9.95) 3.4,9.8
  Bottom w0.6: v1(7.8,13.12) 7.92,13.25 7.92,15.55 v1(6.98,16.5) ; v1(7.5,5.17) 7.5,8.81 v1(7.51,8.83) ; v1(3.55,9.95) 4.17,10.57 v1(5.85,10.57) ; v1(12.4,10.17) v1(10.15,10.17)
  vias: v1(7.5,5.77)
+3V3: length 52.1
  Top w0.15: U1.45 4.38,8.17 ; U1.45 4.56,8.09 2.8,6.33 C17.1 ; U1.45 U1.44 ; U4.10 3.21,10.51 2.1,9.4 C22.1 ; U4.10 3.23,10.97 4.1,10.97 ; U4.10 U4.9 ; 12.59,12.22 12.54,12.17 U1.11 10.68,12.17 ; U1.30 3.78,14.41 2.9,15.3 1.6,15.3 ; 8.46,6.67 8,7.14 U1.53 ; 8.46,6.67 8.4,6.74 U1.54 ; 8.46,6.67 10.47,4.66 10.47,4.6 ; U4.2 2.81,12.38 2.81,11.05 U4.9 ; C12.1 10.55,4.55 U3.8 11.7,4.5 C19.1 11.73,3.63 C2.1 ; 4.1,10.97 U1.38 ; 4.1,10.97 3.83,10.97 ; 5.5,8.4 5.33,8.57 U1.44 ; U4.9 2.79,10.86 ; C13.1 12.55,8.2 v2(12.52,8.22) 12.5,8.2 11.46,8.2 U1.1 11,8.17 10.68,8.5 v2(10.47,8.5) ; U1.44 4.56,8.36
  Top w0.2: U2.2 18.43,7.35 17.78,7.35 17.63,7.2 15.62,7.2 ; C5.1 15.7,7.2 15.62,7.2 ; 5.59,13.43 5.25,13.77 5.25,14.36 U1.30 ; 8.85,16.29 9.2,15.94 U1.20 9.2,13.57 ; 15.62,7.2 15.13,7.68 13.71,7.68 C13.1 ; C21.2 1.69,6.21 C14.1 2.25,5.65 ; R5.1 5.3,1.2 2.25,4.25 2.25,5.65 ; U1.53 8,8.27 8.4,8.27 U1.54 ; U1.38 5.4,10.97 ; 2.25,5.65 C17.1
  Bottom w0.4: v2(12.52,8.22) 12.5,8.2 10.78,8.2 v2(10.47,8.5)
